# KiCad board design.kicad_pcb (continued)
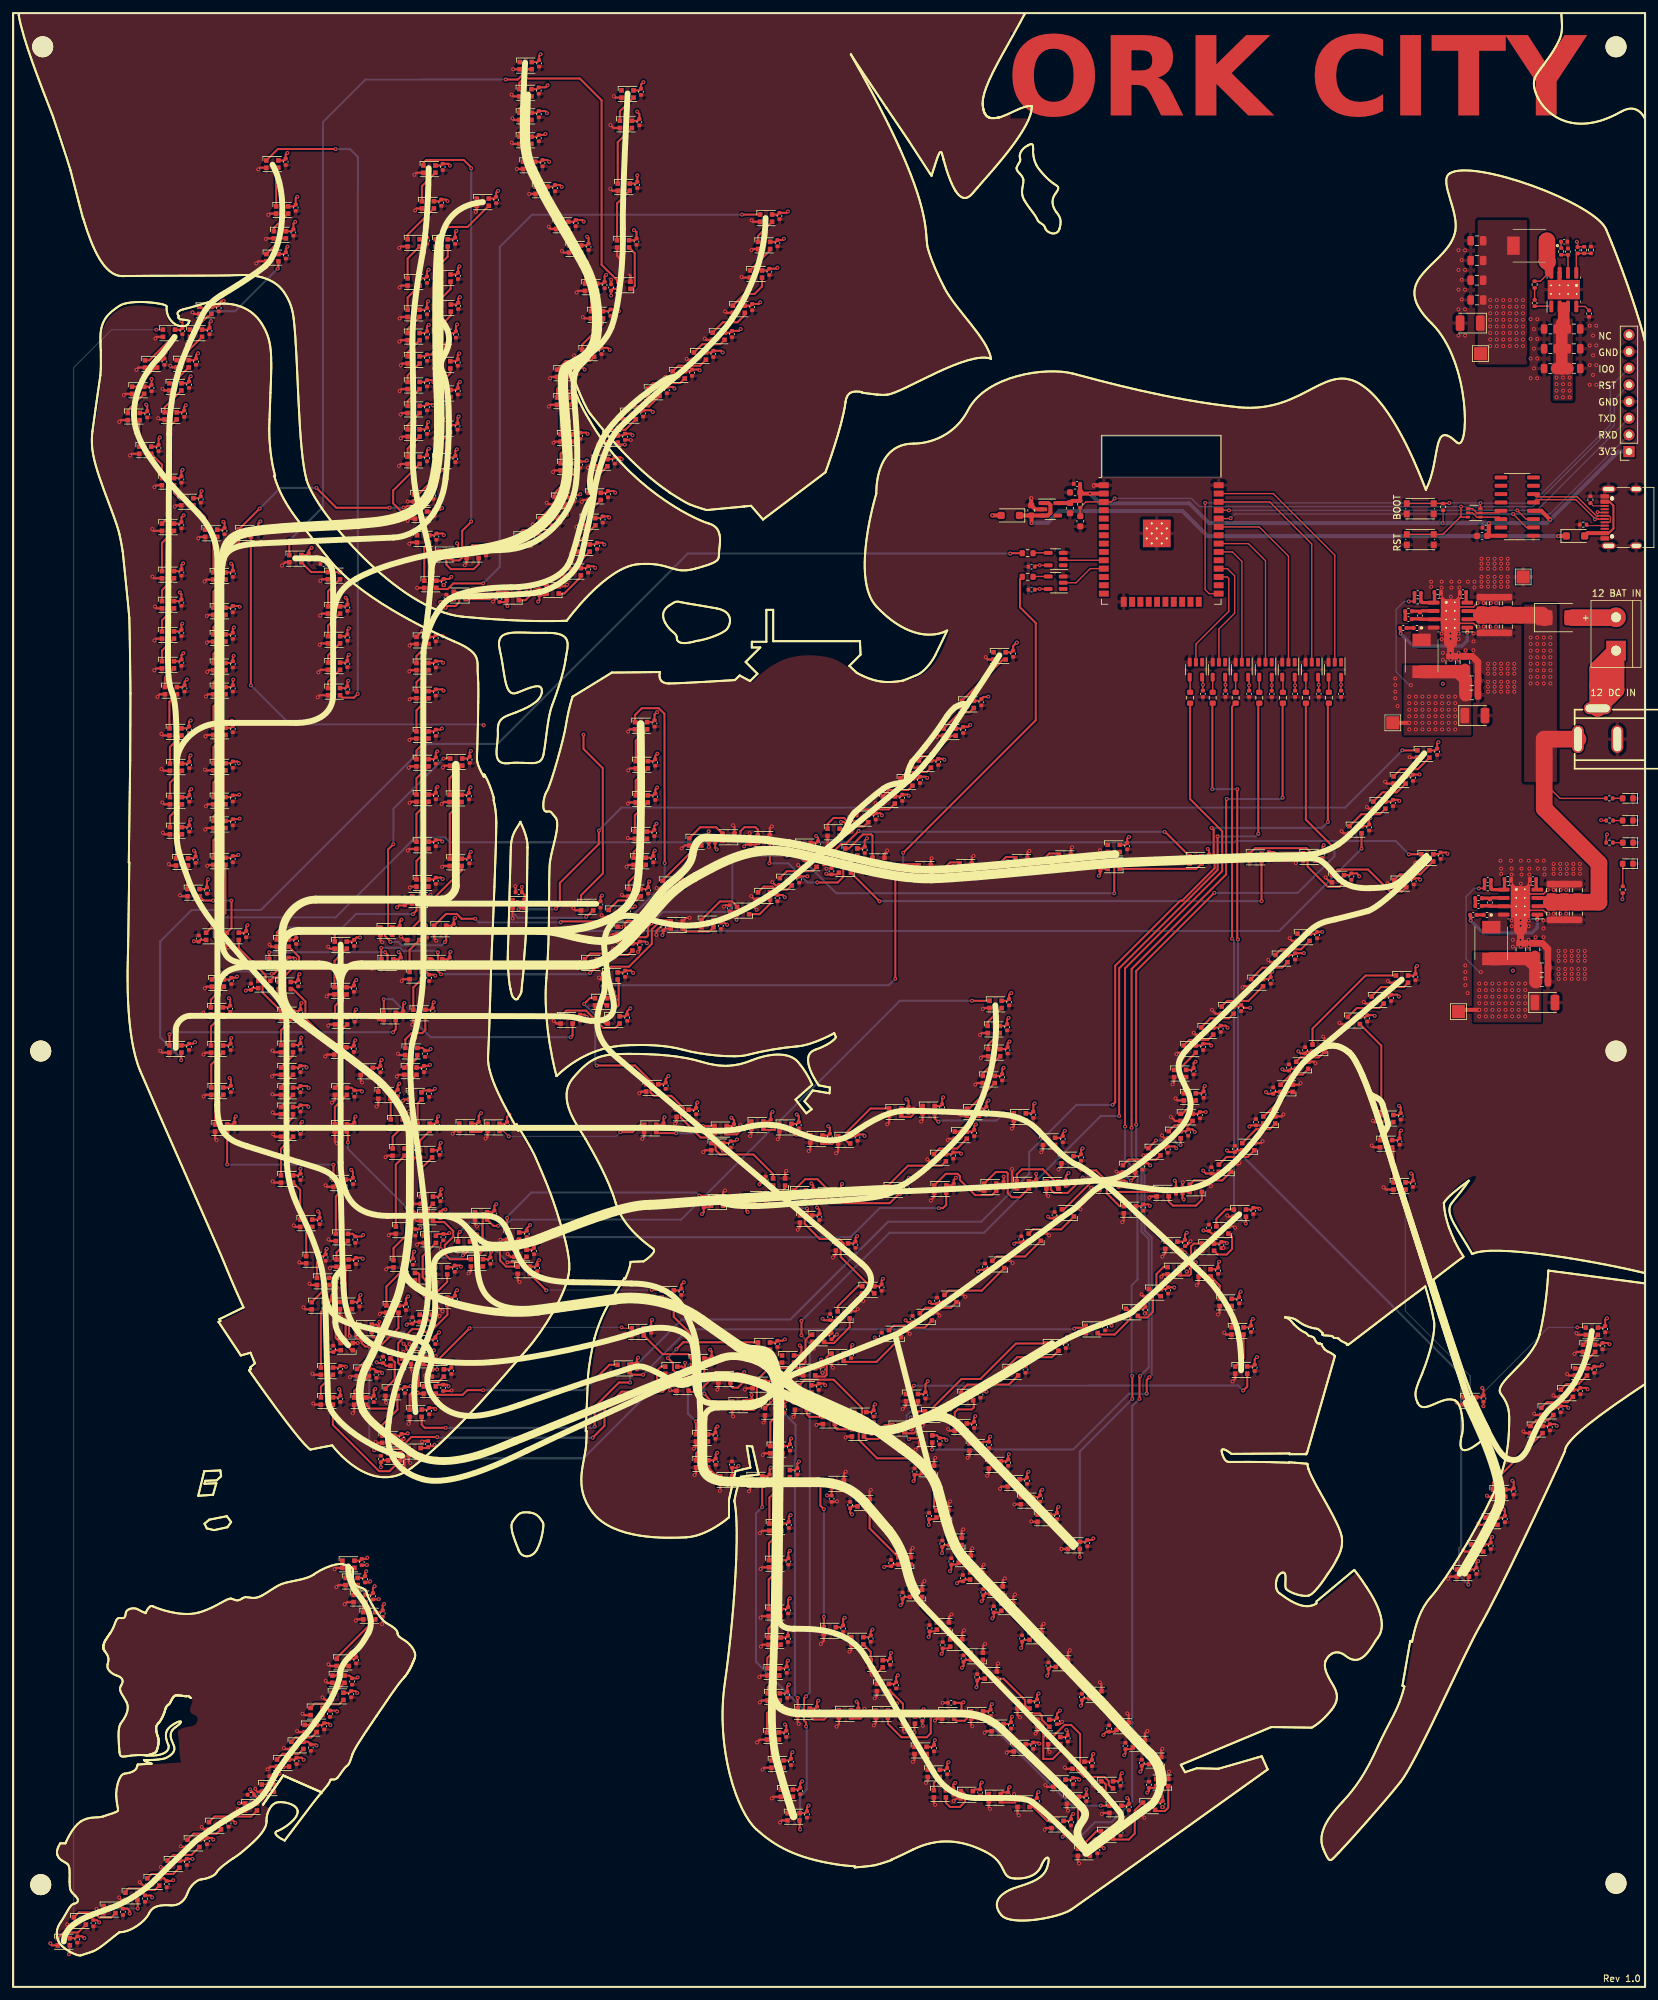
[diagram p0: board, top side]
## Routing (per net, layer and track width the routed paths; a pad name or vN(x,y) marks a point on that pad's centre or on a via; arc(x,y) is an arc through that point) (continued)
Net-(D41-DOUT): length 8.6
  Top w0.305: D41.1 61.95,162.47 61.95,166.76 62.81,167.63 D42.3
Net-(D42-DOUT): length 5.4
  Top w0.305: D42.1 61.45,171.54 D43.3
Net-(D43-DOUT): length 6.8
  Top w0.305: D44.3 61.45,178.72 D43.1
Net-(D44-DOUT): length 5.1
  Top w0.305: D45.3 61.45,184.11 D44.1
Net-(D45-DOUT): length 3.9
  Top w0.305: D45.1 61.45,188.35 D46.3
Net-(D46-DOUT): length 5.8
  Top w0.305: D47.3 61.45,194.49 D46.1
Net-(D47-DOUT): length 3.9
  Top w0.305: D48.3 61.45,198.77 D47.1
Net-(D48-DOUT): length 3.6
  Top w0.305: D49.3 61.45,202.75 D48.1
Net-(D49-DOUT): length 10.9
  Top w0.305: v1(65.87,210.11) 66.15,210.38 67.4,210.38 67.96,210.94 67.96,212.21 67.65,212.52 D50.3 ; D49.1 v1(62.37,206.61)
  Bottom w0.305: v1(65.87,210.11) v1(62.37,206.61)
Net-(D50-DOUT): length 6.5
  Top w0.305: D50.1 72.63,211.42 73.74,212.53 75.04,212.53
Net-(D51-DOUT): length 5.7
  Top w0.305: D51.1 78.04,211.26 78.9,212.12 78.9,213.37 79.1,213.57 81.1,213.57
Net-(D52-DOUT): length 4.7
  Top w0.305: D53.3 86.49,214.81 83.97,212.28 D52.1
Net-(D53-DOUT): length 4.2
  Top w0.305: D54.3 85.34,216.16 D53.1
Net-(D54-DOUT): length 4
  Top w0.305: D55.3 86.01,219.98 D54.1
Net-(D55-DOUT): length 3.7
  Top w0.305: 86.87,223.88 D56.3
Net-(D56-DOUT): length 5.2
  Top w0.305: D56.1 87.68,228.81 D57.3
Net-(D57-DOUT): length 7.2
  Top w0.305: v1(93.2,234.95) 92.42,234.95 D58.3 ; D57.1 88.7,232.76 v1(88.7,233.67)
  Bottom w0.305: v1(88.7,233.67) 89.98,234.95 v1(93.2,234.95)
Net-(D58-DOUT): length 5.6
  Top w0.305: D59.3 93.27,237.22 91.13,237.22 D58.1
Net-(D59-DOUT): length 6.5
  Top w0.305: D60.3 96.88,240.78 93.9,240.78 D59.1
Net-(D60-DOUT): length 6.3
  Top w0.305: D60.1 97.5,244.34 101.62,244.34 D61.3
Net-(D61-DOUT): length 5.8
  Top w0.305: D62.3 104.64,246.99 101.34,246.99 D61.1
Net-(D62-DOUT): length 5.5
  Top w0.305: D62.1 104.99,250.27 107.74,250.27 D63.3
Net-(D63-DOUT): length 6.3
  Top w0.305: D63.1 108.14,253.6 110.36,253.6 111.47,254.71 D64.3
Net-(D64-DOUT): length 7
  Top w0.305: D65.3 114.09,259.05 112.96,257.92 111.42,257.92 D64.1
Net-(D65-DOUT): length 4.3
  Top w0.305: D65.1 115.33,264.57
Net-(D66-DOUT): length 3.9
  Top w0.305: D67.3 113.5,266.77 D66.1
Net-(D68-DIN): length 4.4
  Top w0.305: D68.3 92.44,285.75 D69.1
Net-(D69-DIN): length 9.4
  Top w0.305: D70.1 92.11,281.04 D69.3
Net-(D70-DIN): length 8.3
  Top w0.305: D70.3 92.01,271.71 D71.1
Net-(D71-DIN): length 7.1
  Top w0.305: D71.3 94.7,264.14 94.7,259.14 94.26,258.69 D72.1
Net-(D72-DIN): length 43.8
  Top w0.305: 92.22,259.81 90.6,261.42 90.59,261.42 89.65,262.36 89.65,287.43 86.33,290.75 77.8,290.75 77.13,290.08 D73.1
Net-(D73-DIN): length 3.3
  Top w0.305: D74.1 77.14,286.2 D73.3
Net-(D74-DIN): length 3.3
  Top w0.305: D74.3 77.14,282.59 D75.1
Net-(D75-DIN): length 3.2
  Top w0.305: D76.1 77.69,279.5 D75.3
Net-(D76-DIN): length 2.6
  Top w0.305: D77.1 79.59,276.89
Net-(D77-DIN): length 4.8
  Top w0.305: D77.3 81.42,271.84 82.74,270.52 D78.1
Net-(D78-DIN): length 2.4
  Top w0.305: D79.1 84.7,267.69
Net-(D79-DIN): length 5
  Top w0.305: D80.1 87.13,263.62 D79.3
Net-(D80-DIN): length 3.5
  Top w0.305: D80.3 88.04,257.47 D81.1
Net-(D81-DIN): length 6.1
  Top w0.305: D82.1 86.69,250.19 89.87,253.37 D81.3
Net-(D82-DIN): length 6.5
  Top w0.305: D83.1 84.17,247.69 87.87,247.69 D82.3
Net-(D83-DIN): length 3.9
  Top w0.305: D83.3 82.86,243.45 D84.1
Net-(D84-DIN): length 5
  Top w0.305: D85.1 83.41,239.75 D84.3
Net-(D85-DIN): length 4
  Top w0.305: D85.3 83.41,233.59 D86.1
Net-(D86-DIN): length 5.2
  Top w0.305: D86.3 85.24,230.34 82.5,227.6 D87.1
Net-(D87-DIN): length 5
  Top w0.305: D88.1 81.8,225.24 83.68,225.24 D87.3
Net-(D88-DIN): length 5.9
  Top w0.305: D89.1 77.64,221.93 81.42,221.93 D88.3
Net-(D89-DIN): length 10.3
  Top w0.305: D90.1 69.94,219.62 73.85,219.62 74.17,219.3 77.94,219.3 D89.3
Net-(D90-DIN): length 9.4
  Top w0.305: D90.3 70.92,216.75 70.16,215.99 66.68,215.99 66.01,216.66 66.01,218.18 65.42,218.77 D91.1
Net-(D91-DIN): length 70.8
  Top w0.305: D91.3 67.01,217.32 67.97,217.32 68.41,217.76 68.41,221.83 69.83,223.25 v1(69.79,223.25) ; 69.79,277.19 69.91,277.07 v1(69.79,277.07) 69.79,277.19 ; 69.79,277.19 68.65,278.33 62.96,278.33 62.5,277.87 D92.1
  Bottom w0.305: v1(69.79,277.07) v1(69.79,223.25)
Net-(D92-DIN): length 5.2
  Top w0.305: D93.1 62.27,274.33 D92.3
Net-(D93-DIN): length 6.3
  Top w0.305: D94.1 60.1,266.94 D93.3
Net-(D94-DIN): length 5.6
  Top w0.305: D95.1 60.1,263.32 D94.3
Net-(D95-DIN): length 4.4
  Top w0.305: D95.3 60.1,257.37 D96.1
Net-(D96-DIN): length 3.2
  Top w0.305: D96.3 60.1,252.58 D97.1
Net-(D97-DIN): length 3.2
  Top w0.305: D97.3 60.1,249.04 D98.1
Net-(D98-DIN): length 3.6
  Top w0.305: D98.3 60.1,245.49 D99.1
Net-(D100-DIN): length 3.2
  Top w0.305: D101.1 60.1,237.94 D100.3
Net-(D100-DOUT): length 3.3
  Top w0.305: D99.3 60.1,241.59 D100.1
Net-(D101-DIN): length 3.8
  Top w0.305: D102.1 60.1,234.36 D101.3
Net-(D102-DIN): length 11.5
  Top w0.305: D102.3 57.89,227.98 57.89,226.02 59.14,224.77 D103.1
Net-(D103-DIN): length 3.1
  Top w0.305: D103.3 61.53,222.16 D104.1
Net-(D104-DIN): length 6.1
  Top w0.305: D105.1 62.64,219.34 D104.3
Net-(D105-DIN): length 101.3
  Top w0.305: 64.64,212.96 66.21,212.96 67.07,213.82 v1(71.62,213.82) ; v1(111.05,270.01) D67.1
  Bottom w0.305: v1(71.62,213.82) 74.14,216.34 74.14,265.08 79.06,270 111.04,270 v1(111.05,270.01)
Net-(D106-DIN): length 154.2
  Top w0.305: v1(186.6,159.57) 186.5,159.67 v1(186.5,182.47) ; v1(221.7,61.27) 221.7,62.42 D106.3 ; R23.2 182.7,195.52 v1(182.7,182.47)
  Bottom w0.305: v1(221.7,61.27) 220.3,62.68 220.3,66.83 220.6,67.13 220.6,93.27 186.6,127.27 v1(186.6,159.57) ; v1(182.7,182.47) v1(186.5,182.47)
Net-(D106-DOUT): length 5.1
  Top w0.305: D106.1 220.61,63.61 223.31,66.31 D107.3
Net-(D107-DOUT): length 5.2
  Top w0.305: D107.1 222.8,67.41 225.78,70.39 D108.3
Net-(D108-DOUT): length 4.4
  Top w0.305: 224.36,71.49 227.45,74.59
Net-(D109-DOUT): length 11.7
  Top w0.305: D110.3 225.49,76.84 D109.1
Net-(D110-DOUT): length 4.2
  Top w0.305: D111.3 233.84,86.31 232.03,86.31 D110.1
Net-(D111-DOUT): length 5.5
  Top w0.305: D111.1 233.67,89.07 236.81,89.07 D112.3
Net-(D112-DOUT): length 4.9
  Top w0.305: D112.1 236.65,91.84 238.48,91.84 D113.3
Net-(D113-DOUT): length 4.1
  Top w0.305: D113.1 238.52,94.24 D114.3
Net-(D114-DOUT): length 2.9
  Top w0.305: D114.1 240.02,98.67 240.77,98.67 D115.3
Net-(D115-DOUT): length 23.2
  Top w0.152: v1(238.3,100.47) 239.56,100.47 D115.1 ; v1(222.1,88.67) 222.17,88.74 D116.3
  Bottom w0.152: v1(222.1,88.67) 233.9,100.47 v1(238.3,100.47)
Net-(D116-DOUT): length 36.6
  Top w0.152: v1(212.1,119.97) 212.12,120 D117.3 ; v1(221.99,89.87) 221.09,89.87 D116.1
  Bottom w0.152: v1(212.1,119.97) 212.1,102.97 221.99,93.09 v1(221.99,89.87)
Net-(D117-DOUT): length 5.4
  Top w0.305: D118.3 210.29,127.7 D117.1
Net-(D118-DOUT): length 3.6
  Top w0.305: D118.1 208.25,129.72 D119.3
Net-(D119-DOUT): length 15.2
  Top w0.305: D119.1 208.44,143.4 D120.3
Net-(D120-DOUT): length 6.3
  Top w0.305: D120.1 204.71,149.14 208.14,149.14 D121.3
Net-(D121-DOUT): length 6.4
  Top w0.305: D122.3 211.86,152.33 208.4,152.33 D121.1
Net-(D122-DOUT): length 18.5
  Top w0.305: D122.1 206.05,154.08 197.96,145.99 D123.3
Net-(D123-DOUT): length 4.9
  Top w0.305: D124.3 196.15,141.62 198.94,141.62 D123.1
Net-(D124-DOUT): length 5.2
  Top w0.305: D125.3 194.66,139 196.46,139 D124.1
Net-(D125-DOUT): length 5.9
  Top w0.305: D125.1 194.28,136.34 190.56,132.62
Net-(D126-DOUT): length 6.3
  Top w0.305: D127.3 189.39,130.67 191.44,130.67 D126.1
Net-(D127-DOUT): length 6.3
  Top w0.305: D128.3 184.86,126.44 188.09,126.44 D127.1
Net-(D128-DOUT): length 7.1
  Top w0.305: D128.1 184.21,122.86 179.92,122.86 D129.3
Net-(D129-DOUT): length 7.6
  Top w0.305: D129.1 181.1,119.91 180.22,119.03 176.68,119.03 176.05,119.66 D130.3
Net-(D130-DOUT): length 7.2
  Top w0.305: D130.1 173.8,121.11 167.71,121.11 D131.3
Net-(D131-DOUT): length 7.4
  Top w0.305: D131.1 164.24,122.59 160.11,118.46 D132.3
Net-(D132-DOUT): length 8
  Top w0.305: D132.1 159.67,115.41 155.39,115.41 D133.3
Net-(D133-DOUT): length 8.6
  Top w0.305: D133.1 154.17,111.26 149.83,111.26 D134.3
Net-(D134-DOUT): length 10.8
  Top w0.305: D135.3 142.54,106.07 147.57,106.07 D134.1
Net-(D135-DOUT): length 6.3
  Top w0.305: D135.1 142.87,103.47 138.99,103.47 D136.3
Net-(D136-DOUT): length 7.4
  Top w0.305: D136.1 138.88,100.43 136.22,100.43 135.92,100.73 134.12,100.73 D137.3
Net-(D137-DOUT): length 10.1
  Top w0.305: D137.1 131.54,95.22 126.7,95.22
Net-(D138-DOUT): length 5.4
  Top w0.305: 122.37,92.99 123.68,92.99 123.94,93.25 123.94,95.94 124.49,96.49 D138.1
Net-(D139-DOUT): length 13.8
  Top w0.305: 111.57,87.9 112.88,87.9 113.31,88.32 113.31,92.44 115.13,94.26 D139.1
Net-(D140-DOUT): length 9.1
  Top w0.305: D140.1 106.35,89.17 v1(105.31,90.37) ; v1(105.31,92.69) D141.3
  Bottom w0.305: v1(105.31,90.37) v1(105.31,92.69)
Net-(D141-DOUT): length 8.8
  Top w0.305: D142.3 98.92,96.4 102.84,96.4 D141.1
Net-(D142-DOUT): length 34.1
  Top w0.152: v1(92.7,100.47) 92.84,100.34 D142.1
  Top w0.305: 62.62,94.73 63.93,94.73 v1(69.54,100.34)
  Bottom w0.152: v1(92.7,100.47) 69.68,100.47 v1(69.54,100.34)
Net-(D143-DOUT): length 15.5
  Top w0.305: D143.1 60.62,96.46 59.9,97.18 59.9,97.56 v1(59.5,97.96) ; D144.3 51.18,102.81 51.18,99.26 v1(51.27,99.17)
  Bottom w0.305: v1(51.27,99.17) 51.39,99.05 58.41,99.05 v1(59.5,97.96)
Net-(D144-DOUT): length 7
  Top w0.305: D145.3 49.14,98.87 49.14,103.9 49.59,104.35 D144.1
Net-(D145-DOUT): length 13.5
  Top w0.305: D145.1 51.54,96.99 50.65,97.88 50.65,109.27 D146.3
Net-(D146-DOUT): length 3.5
  Top w0.305: D146.1 49.27,111.9 D147.3
Net-(D147-DOUT): length 7.8
  Top w0.305: D147.1 49.16,120.42 D148.3
Net-(D148-DOUT): length 23.5
  Top w0.305: D148.1 v1(48.79,125.27) ; v1(32.61,125.31) D149.3
  Bottom w0.305: v1(32.61,125.31) 32.64,125.27 v1(48.79,125.27)
Net-(D149-DOUT): length 5
  Top w0.305: D149.1 30.78,134.67 D150.3
Net-(D150-DOUT): length 6.1
  Top w0.305: D150.1 30.18,140.54 D151.3
Net-(D151-DOUT): length 5.4
  Top w0.305: D151.1 30.15,146.34 D152.3
Net-(D152-DOUT): length 4
  Top w0.305: D153.3 30.11,150.39 D152.1
Net-(D153-DOUT): length 11.8
  Top w0.305: D153.1 31.44,154.65 v1(31.44,154.71) ; D154.3 39.73,154.34 v1(39.39,154.34)
  Bottom w0.305: v1(31.44,154.71) 36,154.71 36.39,154.32 39.37,154.32 v1(39.39,154.34)
Net-(D154-DOUT): length 21.7
  Top w0.305: D154.1 v1(39.01,157.63) ; v1(56.68,157.63) 57.04,157.27 57.04,155.9 57.48,155.46 D155.3
  Bottom w0.305: v1(56.68,157.63) v1(39.01,157.63)
Net-(D155-DOUT): length 13.3
  Top w0.305: D155.1 56.08,156.57 56.08,158.29 v1(56.09,158.3) ; D156.3 65.16,155.46 64.72,155.9 v1(64.72,157.62)
  Bottom w0.305: 64.72,157.69 v1(64.72,157.62) 64.49,157.85 59.4,157.85 58.95,158.3 v1(56.09,158.3)
Net-(D156-DOUT): length 27.4
  Top w0.305: D156.1 63.94,156.56 64.19,156.31 64.19,155.33 64.72,154.81 64.72,154.76 v1(65.2,154.27) ; v1(87.9,154.47) 87.93,154.47 D157.3
  Bottom w0.305: v1(65.2,154.27) 87.7,154.27 v1(87.9,154.47)
Net-(D157-DOUT): length 8
  Top w0.305: D157.1 87.94,157.41 91.68,157.41 91.86,157.23 93.68,157.23 D158.3
Net-(D158-DOUT): length 39.8
  Top w0.305: D159.3 120.71,172.38 117.9,172.38 v1(117.85,172.33) ; D158.1 93.24,159.72 94.96,159.72 95.16,159.92 96.45,159.92 96.7,160.17 96.7,161.48 v1(97.24,162.02)
  Bottom w0.305: v1(97.24,162.02) 99,163.78 108.74,163.78 109.57,164.61 109.57,171.66 110.24,172.33 v1(117.85,172.33)
Net-(D159-DOUT): length 58
  Top w0.305: v1(120.53,173.77) 120.4,173.77 119.89,174.28 D159.1 ; D160.3 166.97,171.43 167.76,170.64 v1(167.76,166.61)
  Bottom w0.305: v1(167.76,166.61) 125.4,166.61 120.53,171.48 v1(120.53,173.77)
Net-(D160-DOUT): length 12.8
  Top w0.305: D160.1 180.25,170.33 D161.3
Net-(D161-DOUT): length 59.5
  Top w0.305: D162.3 125.38,171.28 125.38,173.35 126.13,174.09 126.81,174.09 v1(128.82,176.11) ; D161.1 175.44,176.05 v1(175.44,175.95) 175.53,175.95 175.51,175.97
  Bottom w0.305: v1(175.44,175.95) 175.4,175.99 128.94,175.99 v1(128.82,176.11)
Net-(D162-DOUT): length 70.5
  Top w0.305: v1(132,165.38) 132.01,165.38 D162.1 ; v1(190.2,165.41) 190.19,165.42 D163.3
  Bottom w0.305: v1(132,165.38) 132.03,165.41 v1(190.2,165.41)
Net-(D163-DOUT): length 11.6
  Top w0.305: D163.1 189.22,173.48 197.06,173.48 197.71,172.83 197.71,172.05 198.16,171.6 D164.3
Net-(D164-DOUT): length 9.5
  Top w0.305: D164.1 196.74,172.7 197.22,172.22 197.22,170.67 200.28,167.61 202.09,167.61 D165.3
Net-(D165-DOUT): length 13.4
  Top w0.305: D166.3 211.59,166.87 209.79,166.87 206.43,170.22 201.78,170.22 D165.1
Net-(D166-DOUT): length 7
  Top w0.305: D166.1 211.28,169.49 214.35,169.49 216.31,171.45
Net-(D167-DOUT): length 193
  Top w0.305: v1(30.26,162.38) 30.26,161.46 D207.3 ; D167.1 v1(212.65,172.55)
  Bottom w0.305: 30.32,162.39 30.31,162.39 v1(30.26,162.38) 30.33,162.39 30.87,162.93 49.12,162.93 59.53,173.34 59.53,173.37 61.26,175.1 65.81,175.1 66.54,174.37 186.11,174.37 186.32,174.58 210.62,174.58 v1(212.65,172.55)
Net-(D168-DIN): length 1.9
  Top w0.305: 50.66,62.49 D168.3
Net-(D169-DIN): length 1.7
  Top w0.305: D170.1 52.48,60.34 D169.3
Net-(D170-DIN): length 1.7
  Top w0.305: D170.3 53.33,58.26 D171.1
Net-(D171-DIN): length 8.3
  Top w0.305: 49.3,50.12 D171.3
Net-(D172-DIN): length 3.1
  Top w0.305: D172.3 50.6,48.88 49.14,47.42 D173.1
Net-(D173-DIN): length 2.6
  Top w0.305: D174.1 48.96,44.81 D173.3
Net-(D174-DIN): length 5.6
  Top w0.305: D174.3 49.67,43.06 47.94,43.06 47.84,43.15 45.96,43.15 D175.1
Net-(D175-DIN): length 3.3
  Top w0.305: D176.1 45.06,39.91 46.55,41.4 D175.3
Net-(D176-DIN): length 4.5
  Top w0.305: D176.3 45.42,37.99 43.04,37.99 D177.1
Net-(D177-DIN): length 4.7
  Top w0.305: D178.1 41.05,35.5 43.48,35.5 D177.3
Net-(D178-DIN): length 5.6
  Top w0.152: D178.3 41.28,33.55 v1(41.2,33.47) ; v1(38.8,30.87) 37.94,30.87 D179.1
  Bottom w0.152: v1(38.8,30.87) 38.8,31.42 40.86,33.47 v1(41.2,33.47)
Net-(D179-DIN): length 7.3
  Top w0.305: D179.3 39.37,30.07 v1(38.9,30.07) ; D180.1 34.42,27.96 v1(34.4,27.97)
  Bottom w0.305: v1(38.9,30.07) 37.9,30.07 35.8,27.97 v1(34.4,27.97)
Net-(D180-DIN): length 8
  Top w0.305: D181.1 30.69,25.95 36.24,25.95 D180.3
Net-(D181-DIN): length 5.8
  Top w0.305: D182.1 27.49,23.35 31.01,23.35 D181.3
Net-(D182-DIN): length 5.7
  Top w0.305: D182.3 27.18,20.1 24.36,20.1 D183.1
Net-(D183-DIN): length 5.6
  Top w0.305: D183.3 24.38,17.19 21.09,17.19 D184.1
Net-(D184-DIN): length 5.7
  Top w0.305: D184.3 21.61,14.78 19.89,14.78 19.67,14.99 17.58,14.99 17.11,14.52
Net-(D185-DIN): length 6.8
  Top w0.305: v1(18.98,11.93) 18.98,13.19 ; 14.59,11.94 14.6,11.94 v1(14.71,11.95) 14.58,11.94 14.36,11.94 13.97,12.33 D186.1
  Bottom w0.305: 18.94,11.95 18.96,11.95 v1(18.98,11.93) 18.92,11.95 v1(14.71,11.95)
Net-(D186-DIN): length 7.2
  Top w0.305: D186.3 14.94,10.58 13.09,10.58 12.32,11.35 10.01,11.35 D187.1
Net-(D187-DIN): length 5.1
  Top w0.305: D188.1 7.66,8.28 9.88,8.28 D187.3
Net-(D188-DIN): length 259.4
  Top w0.152: D189.1 22.82,252.47 v1(21.8,252.47) ; v1(8.5,4.97) 8.63,5.11 D188.3
  Bottom w0.152: v1(21.8,252.47) 15,252.47 9.22,246.69 9.22,9.76 8.5,9.05 v1(8.5,4.97)
Net-(D189-DIN): length 6
  Top w0.305: D190.1 20.75,247.81 24.32,251.38 D189.3
Net-(D190-DIN): length 5
  Top w0.305: D190.3 21.7,246.71 18.78,243.79 D191.1
Net-(D191-DIN): length 3.9
  Top w0.305: D191.3 17.46,240.2 D192.1
Net-(D192-DIN): length 3.9
  Top w0.305: D193.1 19.21,238.6
Net-(D193-DIN): length 4.4
  Top w0.305: D193.3 22.68,231.92 D194.1
Net-(D194-DIN): length 2.6
  Top w0.305: D195.1 25.29,226.81 24.5,227.59 D194.3
Net-(D195-DIN): length 4.5
  Top w0.305: D196.1 29.25,223.91 D195.3
Net-(D196-DIN): length 5.6
  Top w0.305: D197.1 30.51,220.33 D196.3
Net-(D197-DIN): length 5
  Top w0.305: D197.3 30.51,212.57 D198.1
Net-(D198-DIN): length 3.7
  Top w0.305: D198.3 30.51,207.19 D199.1
Net-(D199-DIN): length 4
  Top w0.305: D199.3 30.51,203.12 D200.1
Net-(D200-DIN): length 3.3
  Top w0.305: D200.3 30.51,198.77 D201.1
Net-(D201-DIN): length 5.9
  Top w0.305: D202.1 30.51,195.1 D201.3
Net-(D202-DIN): length 5.1
  Top w0.305: D202.3 30.51,188.9 D203.1
Net-(D203-DIN): length 4.8
  Top w0.305: D204.1 30.51,183.49 D203.3
Net-(D204-DIN): length 3.3
  Top w0.305: D204.3 30.51,178.34 D205.1
Net-(D205-DIN): length 5.3
  Top w0.305: D205.3 30.51,174.71 D206.1
Net-(D206-DIN): length 12.6
  Top w0.305: D206.3 32.34,163.58 30.77,162 30.77,161.33 30.58,161.13 30.58,159.95 31.02,159.5 D207.1
Net-(D208-DIN): length 81.5
  Top w0.305: R24.2 185.7,195.02 v1(185.7,159.67) ; v1(187.8,116.27) 187.82,116.29 D208.3
  Bottom w0.305: v1(187.8,116.27) 186,118.07 186,159.37 v1(185.7,159.67)
Net-(D208-DOUT): length 4.4
  Top w0.305: D209.3 183.31,117.01 184.74,118.43 D208.1
Net-(D209-DOUT): length 5.9
  Top w0.305: D209.1 185.71,114.2 185.71,112.41 184.88,111.58 183.53,111.58 D210.3
Net-(D210-DOUT): length 7.7
  Top w0.305: D210.1 179.88,113.24 179.46,112.82 179.46,108.64 179.2,108.38 177.89,108.38
Net-(D211-DOUT): length 5.7
  Top w0.305: 174.66,105.22 174.18,105.7 174.18,108.59 175.24,109.65 D211.1
Net-(D212-DOUT): length 6.6
  Top w0.305: D212.1 173.21,106.32 173.66,105.87 173.66,102.85 172.79,101.98 171.59,101.98 D213.3
Net-(D213-DOUT): length 8
  Top w0.305: D214.3 165.47,99.38 167.82,99.38 170.18,101.74 170.18,102.87 169.73,103.32 D213.1
Net-(D214-DOUT): length 72.9
  Top w0.305: v1(161.66,100.29) 161.79,100.41 163.11,100.41 D214.1 ; v1(95.99,93.26) 94.31,93.26 D215.3
  Bottom w0.305: v1(161.66,100.29) 161.56,100.18 102.86,100.18 95.99,93.31 v1(95.99,93.26) 95.94,93.26 95.97,93.29
Net-(D215-DOUT): length 29.4
  Top w0.305: 64.56,90.21 68.5,90.21 69.2,90.91 v1(71.6,90.91) ; D215.1 90.85,94.77 v1(88.68,92.6)
  Bottom w0.305: v1(88.68,92.6) 86.99,90.91 v1(71.6,90.91)
Net-(D216-DOUT): length 3.7
  Top w0.305: D217.3 64.96,92.32 63.4,92.32 D216.1
Net-(D217-DOUT): length 14.5
  Top w0.305: D218.3 54.63,99.15 54.83,98.95 56.41,98.95 v1(57.21,99.75) ; D217.1 v1(64.59,94.07)
  Bottom w0.305: v1(64.59,94.07) 64.59,94.69 59.53,99.75 v1(57.21,99.75)
Net-(D218-DOUT): length 23.6
  Top w0.305: v1(55.01,81.76) 56.7,81.76 D219.3 ; D218.1 52.59,100.9 52.15,100.45 52.15,99.04 52.5,98.69 52.75,98.69 53.1,98.34 53.1,98.09 53.63,97.56 v1(54.27,97.56)
  Bottom w0.305: v1(55.01,81.76) 55.01,81.77 54.27,82.51 v1(54.27,97.56)
Net-(D219-DOUT): length 17
  Top w0.305: D220.3 48.71,85.61 55.75,78.57 57.34,78.57 D219.1
Net-(D220-DOUT): length 4.2
  Top w0.305: D221.3 46.88,91.42 D220.1
Net-(D221-DOUT): length 9.1
  Top w0.305: D222.3 46.88,102.79 D221.1
Net-(D222-DOUT): length 3.7
  Top w0.305: D222.1 48.1,106.93
Net-(D223-DOUT): length 2
  Top w0.305: D223.1 46.28,110.04
Net-(D224-DOUT): length 4.8
  Top w0.305: D225.3 44.65,114.88 D224.1
Net-(D225-DOUT): length 6.1
  Top w0.305: D225.1 43.73,121.44 D226.3
Net-(D226-DOUT): length 6.7
  Top w0.305: D226.1 40.81,127.7 D227.3
Net-(D227-DOUT): length 3.1
  Top w0.305: D228.3 42.64,132.46 D227.1
Net-(D228-DOUT): length 2.6
  Top w0.305: 40.81,134.06 D229.3
Net-(D229-DOUT): length 2.6
  Top w0.305: 40.81,137.13 D230.3
Net-(D230-DOUT): length 3.1
  Top w0.305: D230.1 42.64,141.89 D231.3
Net-(D231-DOUT): length 4.8
  Top w0.305: D232.3 40.81,145.73 D231.1
Net-(D232-DOUT): length 6.2
  Top w0.305: D233.3 37.57,153.26 38,152.83 38,151.47 D232.1
Net-(D233-DOUT): length 9.4
  Top w0.305: D233.1 38.97,152.16 38.46,152.67 38.46,154.16 34.38,158.24 D234.3
Net-(D234-DOUT): length 10.3
  Top w0.305: D234.1 33.27,161.32 33.27,165.49 v1(33.26,165.5) ; v1(30.47,165.51) 29.04,165.51 D235.3
  Bottom w0.305: v1(33.26,165.5) 33.25,165.51 v1(30.47,165.51)
Net-(D235-DOUT): length 3.5
  Top w0.305: D235.1 26.57,170.76
Net-(D236-DOUT): length 4
  Top w0.305: D236.1 24.81,174.69 D237.3
Net-(D237-DOUT): length 4.2
  Top w0.305: D237.1 23.89,178.33 D238.3
Net-(D238-DOUT): length 4.8
  Top w0.305: D239.3 23.89,183.44 D238.1
Net-(D239-DOUT): length 5
  Top w0.305: D239.1 23.89,188.89 D240.3
Net-(D240-DOUT): length 5.7
  Top w0.305: D241.3 23.82,195.79 D240.1
Net-(D241-DOUT): length 3.4
  Top w0.305: D241.1 23.12,199.49 D242.3
Net-(D242-DOUT): length 4.2
  Top w0.305: D243.3 22.68,203.58 D242.1
Net-(D243-DOUT): length 4.3
  Top w0.305: D243.1 22.68,208.19 D244.3
Net-(D244-DOUT): length 4.2
  Top w0.305: D245.3 22.68,212.77 D244.1
Net-(D245-DOUT): length 6.9
  Top w0.305: D246.3 22.68,219.99 D245.1
Net-(D246-DOUT): length 16.8
  Top w0.305: D246.1 23.85,224.1 23.85,237.74 D247.3
Net-(D247-DOUT): length 4.4
  Top w0.305: D248.3 23.07,240.66 D247.1
Net-(D248-DOUT): length 3.9
  Top w0.305: D249.3 24.32,244.31 D248.1
Net-(D249-DOUT): length 5.3
  Top w0.305: D249.1 25.22,247.83 D250.3
Net-(D250-DOUT): length 4.2
  Top w0.305: D250.1 27.6,252.48 29.63,254.51 29.85,254.51 D251.3
Net-(D251-DOUT): length 16.1
  Top w0.305: D251.1 28.63,255.96 v1(29.3,255.29) ; v1(40.3,261.77) 40.42,261.89 D252.3
  Bottom w0.305: v1(40.3,261.77) 33.82,255.29 v1(29.3,255.29)
Net-(D252-DOUT): length 4
  Top w0.305: D253.3 40.97,266.38 D252.1
Net-(D253-DOUT): length 3.6
  Top w0.305: D254.3 39.72,267.98 D253.1
Net-(D254-DOUT): length 6
  Top w0.305: D254.1 40.08,276.83 D255.3
Net-(D255-DOUT): length 100.1
  Top w0.305: D255.1 40.32,280 49.13,280 v1(49.15,279.98) ; D256.3 50.17,196.41 51.93,196.41 v1(52.5,196.98)
  Bottom w0.305: v1(49.15,279.98) 51.33,279.98 52.52,278.79 v1(52.5,196.98)
Net-(D256-DOUT): length 3.5
  Top w0.305: D256.1 47.97,198.83 D257.3
Net-(D257-DOUT): length 3.7
  Top w0.305: D258.3 47.97,202.85 D257.1
Net-(D258-DOUT): length 4.2
  Top w0.305: D258.1 47.97,207.39 D259.3
Net-(D259-DOUT): length 4.9
  Top w0.305: D259.1 47.97,212.62 D260.3
Net-(D260-DOUT): length 4.7
  Top w0.305: D261.3 45.39,215.55 D260.1
Net-(D261-DOUT): length 103.4
  Top w0.305: D261.1 42.08,220.34 42.1,220.31 v1(42.1,220.37) 42.04,220.37 42.07,220.34 ; D262.3 78.46,292.15 76.9,290.59 v1(75.05,290.59)
  Bottom w0.305: v1(75.05,290.59) 53.66,290.57 47.21,284.12 47.21,225.48 v1(42.1,220.37)
Net-(D263-DIN): length 216.9
  Top w0.305: v1(183.5,175.27) 183.5,170.17 168.5,155.17 v1(168.5,132.67) ; v1(120.8,44.27) 120.5,43.97 120.5,40.57 120.8,40.27 v1(120.8,39.67) ; v1(189.7,175.67) 189.7,195.42 R25.2 ; D263.3 119.81,24.06 v1(119.9,23.97) ; v1(120.1,99.27) v1(120.1,101.47)
  Bottom w0.305: v1(183.5,175.27) 189.3,175.27 v1(189.7,175.67) ; v1(168.5,132.67) 165.7,132.67 147.92,114.89 133.52,114.89 v1(120.1,101.47) ; v1(120.8,44.27) 121.38,44.85 121.38,98 v1(120.1,99.27) ; v1(120.8,39.67) 120.9,39.57 120.9,30.07 119.9,29.07 v1(119.9,23.97)
Net-(D263-DOUT): length 2.8
  Top w0.305: D264.3 117.98,28.16 D263.1
Net-(D264-DOUT): length 3.5
  Top w0.305: D265.3 116.95,32.98 D264.1
Net-(D265-DOUT): length 3.7
  Top w0.305: D266.3 115.53,36.53 D265.1
Net-(D266-DOUT): length 5.7
  Top w0.305: D266.1 114.84,41.68 D267.3
Net-(D267-DOUT): length 3.4
  Top w0.305: D268.3 114.97,45.67 D267.1
Net-(D268-DOUT): length 4.4
  Top w0.305: D268.1 114.89,50.11 D269.3
Net-(D269-DOUT): length 4
  Top w0.305: D269.1 115.09,54.62 D270.3
Net-(D270-DOUT): length 7.1
  Top w0.305: D270.1 115.12,62.05 D271.3
Net-(D271-DOUT): length 5.3
  Top w0.305: D271.1 115.16,67.59 D272.3
Net-(D272-DOUT): length 8.3
  Top w0.305: D272.1 115.22,74.54 D273.3
Net-(D273-DOUT): length 2.8
  Top w0.305: D274.3 116.5,80.61 D273.1
Net-(D274-DOUT): length 5.1
  Top w0.305: D274.1 115.37,86.07 D275.3
Net-(D275-DOUT): length 9.5
  Top w0.305: D275.1 115.45,89.09 v1(115.47,89.34) 115.45,89.25 ; D276.3 120.95,89.9 119.12,89.9 118.2,90.82 v1(116.19,90.82)
  Bottom w0.305: v1(115.47,89.34) 115.47,90.09 116.19,90.81 v1(116.19,90.82)
Net-(D276-DOUT): length 13.6
  Top w0.305: 129.83,86.48 129.31,87 129.31,88.21 125.02,92.5 120.63,92.5 D276.1
Net-(D277-DOUT): length 15.9
  Top w0.305: D278.3 137.35,80.52 131.64,80.52 128.83,83.33 128.83,87.09 128.34,87.58 D277.1
Net-(D278-DOUT): length 5.8
  Top w0.305: D279.3 140.31,72.99 D278.1
Net-(D279-DOUT): length 2.9
  Top w0.305: D279.1 142.5,68.6
Net-(D280-DOUT): length 1.8
  Top w0.305: D280.1 144.51,66.17 D281.3
Net-(D281-DOUT): length 1.4
  Top w0.305: D281.1 145.89,63.24
Net-(D282-DOUT): length 1.7
  Top w0.305: D283.3 147.89,62.05 D282.1
Net-(D283-DOUT): length 1.6
  Top w0.305: D283.1 150.76,58.62 D284.3
Net-(D284-DOUT): length 4.4
  Top w0.305: D284.1 152.38,56.44 D285.3
Net-(D285-DOUT): length 3.9
  Top w0.305: D286.3 156.69,52.03 D285.1
Net-(D286-DOUT): length 5
  Top w0.305: D286.1 160.7,48.34 D287.3
Net-(D287-DOUT): length 4.7
  Top w0.305: D288.3 165.81,42.56 D287.1
Net-(D288-DOUT): length 1.8
  Top w0.305: D288.1 169.94,38.24 D289.3
Net-(D289-DOUT): length 1.7
  Top w0.305: D289.1 173.09,35.83 D290.3
Net-(D290-DOUT): length 2.6
  Top w0.305: D291.3 174.91,32.44 D290.1
Net-(D291-DOUT): length 5.3
  Top w0.305: 174.16,26.8 175.47,26.8 175.99,27.31 D291.1
Net-(D292-DOUT): length 8.7
  Top w0.305: 172.08,28.07 170.88,26.87 170.88,23.35 169.98,22.45 167.73,22.45
Net-(D293-DOUT): length 5.5
  Top w0.305: D293.1 165.07,23.72 163.4,22.05 163.4,20.4 163.84,19.95 D294.3